# Altium PCB ISS_LAB_PCB.PcbDoc (part 4 of 8) (continued)
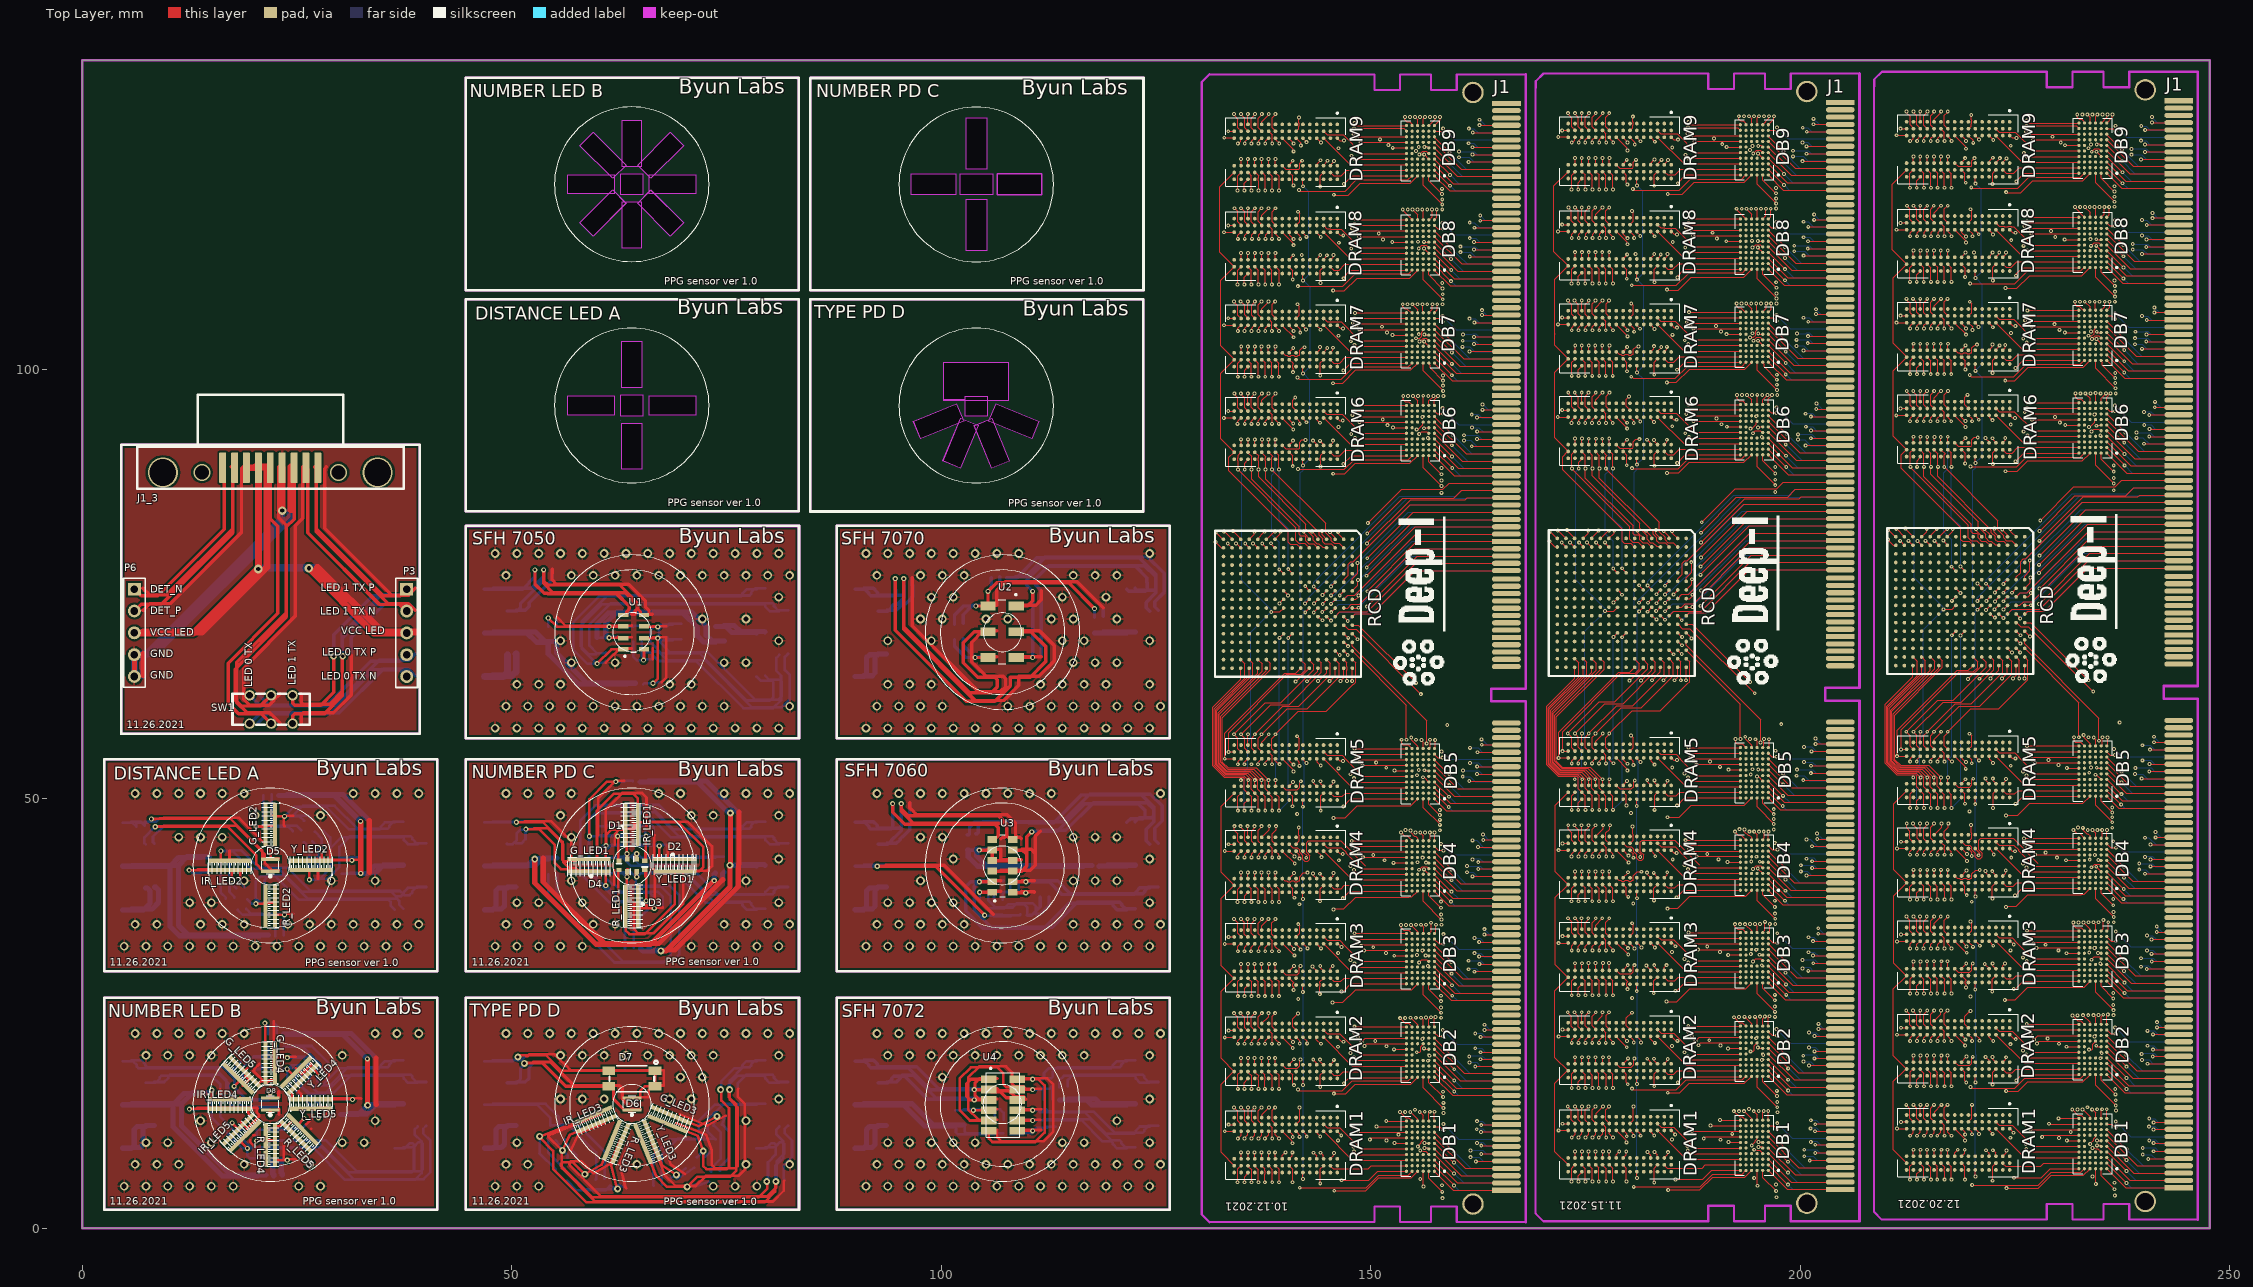
[diagram p0: Top Layer view]
## Nets (pads, with @x,y where several pads share a name; then routed paths per layer and width w, separated by ;. In a path a pad name is that pad's centre, name@x,y a point inside that pad or via, vN(x,y) a via of type N, cw(c..) or ccw(c..) an arc to the next point about the centre after c; other vN are vias at no path point) (continued)
 175.385,18.323 175.385,18.24 175.816,17.81 175.816,17.7 175.799,17.683 175.799,17.363 175.816,17.346 v1(175.816,16.311) ; 175.385,29.2 175.79,28.795 175.79,27.132 v1(175.816,27.106) ; 175.385,39.995 175.385,39.932 175.79,39.527 v1@175.79,38.104 ; 175.385,90.419 175.393,90.419 175.816,89.997 175.816,89.796 175.799,89.779 175.799,89.459 175.816,89.442 v1@175.816,88.447 ; 175.385,101.199 175.385,101.171 175.79,100.766 v1(175.79,99.217) v1@175.79,99.191 ; 175.385,112.024 175.385,112.017 175.79,111.612 175.79,110.063 v1@175.816,110.037 ; 175.385,122.991 175.409,122.991 175.816,122.585 175.816,122.368 175.799,122.351 175.799,122.031 175.816,122.014 v1@175.816,120.985 ; 175.385,127.791 174.971,128.205 174.971,129.31 v1@175.409,129.748 ; 175.731,65.29 175.731,64.715 171.117,60.101 171.117,54.17 172.069,53.217 174.796,53.217 175.739,52.274 175.739,51.184 176.185,50.738 176.603,50.32 176.603,50.103 176.599,50.098 176.599,49.778 176.603,49.773 v1@176.603,48.772 ; 175.731,66.29 176.247,65.774 176.247,64.927 171.269,59.948 171.269,54.233 172.133,53.37 175.028,53.37 v1(176.146,52.252) 176.185,52.213 176.185,51.538 ; 175.731,80.29 175.731,80.376 176.501,81.146 v1(176.501,81.208) ; v1@175.765,54.157 175.765,54.318 176.185,54.738 ; v1@175.765,93.756 175.79,93.781 175.79,94.111 176.098,94.419 176.185,94.419 ; v1@175.79,21.62 175.79,21.975 176.138,22.323 176.185,22.323 ; v1@175.79,126.446 175.816,126.471 175.816,126.674 176.132,126.991 176.185,126.991 ; v1(175.816,10.545) 176.185,10.915 176.185,11.371 ; v1@175.816,32.415 175.816,32.821 176.185,33.191 176.185,33.2 ; v1@175.816,43.337 175.816,43.616 176.185,43.986 176.185,43.995 ; v1(175.816,88.422) 175.816,87.558 181.315,82.059 181.315,81.45 182.191,80.573 182.191,80.167 182.572,79.786 182.851,79.786 183.283,79.354 183.667,79.354 183.731,79.29 ; v1@175.816,104.576 175.816,104.906 176.108,105.199 176.185,105.199 ; v1@175.841,115.346 175.841,115.727 176.138,116.024 176.185,116.024 ; v1@176.146,102.722 176.146,102.038 176.185,101.999 ; v1@176.146,118.8 175.771,118.426 175.771,117.295 176.185,116.881 176.185,116.824 ; v1(176.171,8.92) 176.178,8.913 176.178,8.178 176.185,8.171 ; v1(176.171,14.152) 175.775,13.756 175.775,12.618 176.185,12.208 176.185,12.171 ; v1(176.171,19.893) 176.178,19.886 176.178,19.13 176.185,19.123 ; v1(176.171,30.865) 176.178,30.859 176.178,30.007 176.185,30 ; v1@176.171,41.483 176.185,41.469 176.185,40.795 ; v1@176.171,46.867 176.171,46.817 175.799,46.444 175.799,45.157 176.161,44.795 176.185,44.795 ; v1@176.171,57.51 175.79,57.129 175.79,55.935 176.185,55.54 176.185,55.538 ; v1(176.171,57.586) 179.143,60.558 181.505,60.558 185.239,64.292 185.239,65.782 184.731,66.29 ; v1(176.171,107.98) 175.79,107.599 175.79,106.43 176.185,106.036 176.185,105.999 ; v1(176.171,113.619) 176.171,112.838 176.185,112.824 ; v1(176.171,124.566) 176.185,124.552 176.185,123.791 ; 176.185,7.371 176.552,7.004 176.552,6.75 176.571,6.731 176.571,6.411 176.552,6.392 v1(176.552,5.44) ; 176.185,12.971 176.245,13.031 176.245,13.362 v1(177.035,14.152) ; 176.185,18.323 176.552,17.956 176.552,17.702 176.571,17.683 176.571,17.363 176.552,17.344 v1(176.552,16.311) ; 176.185,23.123 176.185,23.13 175.775,23.54 175.775,24.678 v1@176.197,25.1 ; 176.185,23.923 176.984,24.722 v1@176.984,25.1 ; 176.185,29.2 176.578,28.807 176.578,27.132 v1(176.552,27.106) ; 176.185,34 176.161,34 175.79,34.371 175.79,35.564 176.197,35.971 v1@176.197,36.047 ; 176.185,34.8 176.185,35.273 v1@176.959,36.047 ; 176.185,39.995 176.185,39.919 176.578,39.527 v1@176.578,38.104 ; 176.185,45.595 177.06,46.47 v1@177.06,46.867 ; 176.185,56.338 176.185,56.686 v1@177.009,57.51 ; 176.185,90.419 176.185,90.364 176.628,89.92 176.628,89.809 176.599,89.779 176.599,89.459 176.628,89.429 v1@176.628,88.473 ; 176.185,91.219 176.222,91.256 v1(176.222,91.902) ; 176.185,95.219 176.181,95.219 175.799,95.602 175.799,96.812 176.197,97.21 v1@176.197,97.236 ; 176.185,96.019 176.185,96.462 v1(176.984,97.261) ; 176.185,101.199 176.221,101.199 176.603,100.817 176.603,100.564 176.599,100.559 176.599,100.239 176.603,100.234 v1(176.603,99.217) v1@176.603,99.191 ; 176.185,106.799 176.185,107.155 v1@176.984,107.954 ; 176.185,112.024 176.216,112.024 176.603,111.637 176.603,111.389 176.599,111.384 176.599,111.064 176.603,111.059 v1@176.603,110.063 ; 176.185,117.624 176.185,118.001 v1@176.984,118.8 ; 176.185,122.991 176.222,122.991 176.603,122.61 176.603,122.356 176.599,122.351 176.599,122.031 176.603,122.026 v1@176.603,120.985 ; 176.185,127.791 176.185,127.803 175.799,128.19 175.799,129.324 v1@176.197,129.722 ; 176.185,128.591 176.185,128.898 v1@177.009,129.722 ; v1(176.247,79.811) 176.247,79.792 176.731,79.309 176.731,79.29 ; v1(176.552,10.545) 176.985,10.978 176.985,11.371 ; v1@176.578,21.645 176.578,21.899 176.985,22.307 176.985,22.323 ; v1@176.578,43.388 176.578,43.616 176.956,43.995 176.985,43.995 ; v1@176.578,54.132 176.603,54.157 176.603,54.36 176.981,54.738 176.985,54.738 ; v1@176.578,93.781 176.578,94.061 176.936,94.419 176.985,94.419 ; v1@176.603,32.415 176.603,32.821 176.982,33.2 176.985,33.2 ; v1@176.603,104.576 176.603,104.856 176.946,105.199 176.985,105.199 ; v1@176.603,126.42 176.628,126.446 176.628,126.7 176.92,126.991 176.985,126.991 ; v1(176.628,88.422) 176.628,87.304 182.864,81.069 182.864,80.768 183.283,80.348 183.283,80.008 183.328,79.964 183.334,79.964 183.537,79.76 184.274,79.76 184.731,79.303 184.731,79.29 ; v1@176.628,115.397 176.654,115.422 176.654,115.752 176.926,116.024 176.985,116.024 ; 176.731,65.29 176.731,65.004 171.421,59.694 171.421,54.323 172.222,53.522 175.257,53.522 176.578,52.201 176.578,51.236 176.985,50.829 176.985,50.738 176.985,50.676 177.39,50.271 177.39,48.772 v1@177.416,48.747 ; 176.731,66.29 177.162,65.859 177.162,65.079 171.612,59.529 171.612,54.348 172.285,53.675 175.562,53.675 176.96,52.277 176.985,52.277 176.985,51.538 ; 176.731,80.29 176.779,80.29 177.672,81.183 v1(177.721,81.183) ; v1(176.959,91.902) 176.985,91.875 176.985,91.219 ; v1@176.959,102.722 176.959,102.025 176.985,101.999 ; v1@176.959,113.644 v1(176.959,113.619) 176.959,112.85 176.985,112.824 ; v1@176.984,41.483 176.985,41.482 176.985,40.795 ; v1(176.984,124.566) 176.985,124.565 176.985,123.791 ; 176.985,7.371 176.985,7.344 177.416,6.913 177.416,6.748 177.399,6.731 177.399,6.411 177.416,6.394 v1(177.416,5.44) ; 176.985,8.171 177.01,8.196 177.01,8.895 v1(177.035,8.92) ; 176.985,12.171 177.39,11.766 177.39,10.571 v1(177.416,10.545) ; 176.985,18.323 176.985,18.266 177.416,17.835 177.416,17.7 177.399,17.683 177.399,17.363 177.416,17.346 v1(177.416,16.311) ; 176.985,19.123 177.01,19.148 177.01,19.868 v1(177.035,19.893) ; 176.985,23.123 177.39,22.718 177.39,21.696 v1@177.365,21.671 ; 176.985,29.2 177.416,28.769 177.416,28.577 177.399,28.56 177.399,28.24 177.416,28.223 v1(177.416,27.106) ; 176.985,30 177.01,30.025 177.01,30.841 v1(177.035,30.865) ; 176.985,34 176.985,33.938 177.39,33.532 v1@177.39,32.44 ; 176.985,39.995 176.998,39.995 177.416,39.578 177.416,39.372 177.399,39.355 177.399,39.035 177.416,39.018 v1@177.416,38.13 ; 176.985,44.795 176.985,44.733 177.416,44.302 177.416,44.172 177.399,44.155 177.399,43.835 177.416,43.818 v1@177.416,43.413 ; 176.985,55.538 176.985,55.477 177.39,55.072 v1@177.39,54.132 ; 176.985,90.419 177.462,89.942 177.375,89.854 v1(177.375,88.413) 183.613,82.175 183.613,81.079 184.274,80.419 184.274,80.141 184.604,79.811 185.21,79.811 185.731,79.29 ; 176.985,95.219 176.985,95.203 177.39,94.797 v1@177.39,93.807 ; 176.985,101.199 176.985,101.197 177.365,100.817 177.365,100.566 177.371,100.559 177.371,100.239 177.365,100.232 v1(177.365,99.217) v1@177.365,99.191 ; 176.985,105.999 176.985,105.947 177.365,105.567 177.365,105.366 177.371,105.359 177.371,105.039 177.365,105.032 v1@177.365,104.602 ; 176.985,112.024 176.985,112.017 177.365,111.637 177.365,111.391 177.371,111.384 177.371,111.064 177.365,111.057 v1@177.365,110.037 ; 176.985,116.824 176.985,116.793 177.39,116.387 v1@177.39,115.422 ; 176.985,122.991 176.985,122.965 177.39,122.559 v1@177.39,120.985 ; 176.985,127.791 177.39,127.385 177.39,126.446 v1@177.416,126.42 ; v1(177.263,79.837) 177.263,79.797 177.731,79.33 177.731,79.29 ; v1(177.289,71.836) 178.277,71.836 178.731,72.29 ; 177.731,80.29 178.356,80.915 v1(178.356,81.183) ; v1(177.746,8.92) 177.765,8.9 177.765,8.191 177.785,8.171 ; v1(177.746,14.152) 177.39,13.797 177.39,12.603 177.785,12.208 177.785,12.171 ; v1(177.746,19.893) 177.765,19.873 177.765,19.143 177.785,19.123 ; v1@177.746,25.1 177.399,24.752 177.399,23.517 177.785,23.13 177.785,23.123 ; v1(177.746,30.865) 177.765,30.846 177.765,30.02 177.785,30 ; v1(177.746,107.98) 177.399,107.632 177.399,106.422 177.785,106.036 177.785,105.999 ; v1@177.771,36.022 177.371,35.622 177.371,34.339 177.71,34 177.785,34 ; v1@177.771,41.483 177.771,40.809 177.785,40.795 ; v1@177.771,57.485 177.371,57.085 177.371,55.929 177.762,55.538 177.785,55.538 ; v1(177.771,57.586) 180.438,60.253 183.715,60.253 186.849,63.387 186.876,63.387 187.115,63.626 187.115,65.906 186.731,66.29 ; v1(177.771,91.927) 177.785,91.913 177.785,91.219 ; v1(177.771,113.619) 177.771,112.838 177.785,112.824 ; v1(177.771,118.826) 177.39,118.445 177.39,117.251 177.785,116.856 177.785,116.824 ; v1@177.771,129.722 177.39,129.341 177.39,128.198 177.785,127.804 177.785,127.791 ; 177.785,7.371 178.203,6.953 178.203,6.736 178.199,6.731 178.199,6.411 178.203,6.406 v1(178.203,5.44) ; 177.785,11.371 177.785,10.964 v1(178.203,10.545) ; 177.785,18.323 178.203,17.905 178.203,17.688 178.199,17.683 178.199,17.363 178.203,17.358 v1(178.203,16.311) ; 177.785,22.323 177.785,22.114 v1@178.203,21.696 ; 177.785,29.2 178.203,28.782 178.203,28.565 178.199,28.56 178.199,28.24 178.203,28.235 v1(178.203,27.106) ; 177.785,33.2 177.785,32.884 v1@178.203,32.466 ; 177.785,39.995 178.203,39.577 178.203,39.36 178.199,39.355 178.199,39.035 178.203,39.03 v1@178.203,38.13 ; 177.785,43.995 178.178,43.602 v1@178.178,43.413 ; 177.785,44.795 177.761,44.795 177.39,45.166 177.39,46.004 177.848,46.461 v1@177.848,46.842 ; 177.785,50.738 177.785,50.689 178.203,50.271 178.203,50.103 178.199,50.098 178.199,49.778 178.203,49.773 v1(178.203,48.696) ; 177.785,51.538 177.797,51.55 v1(177.797,52.252) v1@177.797,52.328 ; 177.785,54.738 177.785,54.499 178.171,54.113 v1(178.275,54.113) ; 177.785,90.419 177.832,90.419 178.178,90.073 178.178,88.473 v1@178.203,88.447 ; 177.785,94.419 177.785,94.199 v1@178.178,93.807 ; 177.785,95.219 177.785,95.241 177.399,95.627 177.399,96.837 v1@177.797,97.236 ; 177.785,101.199 177.785,101.184 178.178,100.792 v1(178.178,99.217) ; 177.785,101.999 177.785,102.71 v1@177.797,102.722 ; 177.785,105.199 177.785,105.045 v1@178.203,104.627 ; 177.785,112.024 177.791,112.024 178.203,111.612 178.203,111.389 178.199,111.384 178.199,111.064 178.203,111.059 v1@178.203,110.063 ; 177.785,116.024 177.785,115.84 v1@178.203,115.422 ; 177.785,122.991 177.785,122.978 178.203,122.559 178.203,122.356 178.199,122.351 178.199,122.031 178.203,122.026 v1@178.203,121.035 ; 177.785,123.791 177.785,124.554 v1(177.797,124.566) ; 177.785,126.991 177.785,126.889 v1@178.229,126.446 ; v1(178.229,76.789) 178.23,76.789 178.729,76.29 178.731,76.29 ; v1(178.254,68.813) 178.731,69.29 ; v1(178.254,72.826) 178.718,73.29 178.731,73.29 ; 178.585,8.171 178.585,8.565 v1(178.94,8.92) ; 178.585,11.371 179.734,10.222 179.734,10.03 v1(179.778,9.987) ; 178.585,19.123 178.971,18.737 180.345,18.737 180.599,18.99 180.599,19.646 v1(180.692,19.74) ; 178.585,22.323 178.585,22.301 179.803,21.083 v1(179.803,21.061) ; 178.585,30 178.971,29.614 180.345,29.614 180.571,29.84 180.571,30.49 v1(180.692,30.611) ; 178.585,33.2 178.611,33.2 179.955,31.856 v1(179.981,31.856) ; 178.585,40.795 178.863,40.517 179.116,40.517 179.225,40.409 179.545,40.409 179.654,40.517 179.916,40.517 180.025,40.409 180.345,40.409 180.454,40.517 180.591,40.517 180.591,41.029 181.045,41.483 v1(181.505,41.483) ; 178.585,51.538 178.971,51.152 180.345,51.152 180.599,51.405 180.599,51.975 v1(180.743,52.12) ; 178.585,54.738 179.836,53.487 179.836,53.312 v1(179.88,53.268) ; 178.585,91.219 178.585,91.215 178.991,90.809 180.489,90.809 180.591,90.911 180.591,91.571 180.87,91.851 v1(181.277,91.851) ; 178.585,94.419 178.585,94.379 179.854,93.11 v1(179.854,93.07) ; 178.585,101.999 178.647,101.999 178.94,101.706 179.131,101.706 179.225,101.613 179.545,101.613 179.639,101.706 179.931,101.706 180.025,101.613 180.345,101.613 180.439,101.706 180.591,101.706 180.591,102.29 180.908,102.608 181.137,102.608 v1(181.175,102.646) ; 178.585,105.199 178.585,105.167 179.905,103.847 v1(179.905,103.814) ; 178.585,116.024 179.861,114.748 179.861,114.577 v1(179.905,114.533) ; 178.585,123.791 178.978,123.398 180.515,123.398 180.591,123.474 180.591,124.083 180.87,124.363 v1(180.896,124.363) ; 178.585,126.991 179.861,125.715 179.861,125.499 v1(179.905,125.455) ; 178.586,43.995 v1(180.032,42.549) ; 178.731,74.29 179.245,73.776 v1(179.245,73.741) ; v1(179.27,68.788) 179.27,68.829 179.731,69.29 ; v1(179.27,76.814) 179.27,76.783 179.731,76.322 179.731,76.29 ; 179.385,7.371 179.385,7.332 179.771,6.945 179.771,5.447 v1(179.778,5.44) ; 179.385,8.171 179.753,8.539 v1(179.753,8.92) ; 179.385,11.371 179.791,10.965 179.791,10.71 v1(179.803,10.698) ; 179.385,18.323 179.778,17.93 179.778,16.957 179.93,16.805 v1(179.93,16.743) ; 179.385,19.123 179.385,19.159 179.956,19.73 v1(179.956,19.766) ; 179.385,22.323 179.385,22.27 179.829,21.826 v1(179.829,21.772) ; 179.385,29.2 179.905,28.68 179.905,28.667 179.799,28.56 179.799,28.24 179.905,28.133 v1(179.905,27.817) ; 179.385,30 179.385,30.033 179.93,30.578 v1(179.93,30.611) ; 179.385,33.2 179.385,33.182 179.956,32.611 v1(179.956,32.593) ; 179.385,39.995 179.775,39.605 179.775,38.768 v1(179.981,38.562) ; 179.385,40.795 179.385,40.828 179.956,41.399 v1(179.956,41.432) ; 179.385,43.995 179.385,43.989 180.007,43.368 v1(180.007,43.362) ; 179.385,44.795 179.799,44.381 180.345,44.381 180.599,44.128 180.599,43.835 180.979,43.455 180.979,43.049 181.211,42.817 181.539,42.817 181.772,43.049 181.772,43.462 181.399,43.835 181.399,44.955 181.625,45.181 185.376,45.181 188.265,42.292 ; 179.385,50.738 179.413,50.738 179.778,50.373 v1(179.778,49.204) ; 179.385,51.538 179.385,51.572 179.829,52.015 v1(179.829,52.049) ; 179.385,54.738 179.453,54.67 179.453,54.457 179.854,54.056 v1(179.905,54.056) ; 179.385,90.419 179.803,90.001 179.803,89.784 179.799,89.779 179.799,89.459 179.803,89.454 v1(179.803,88.803) ; 179.385,91.219 179.385,91.275 179.829,91.719 v1(179.829,91.775) ; 179.385,94.419 179.422,94.382 179.422,94.137 179.803,93.756 v1(179.854,93.756) ; 179.385,101.199 179.829,100.755 179.829,100.589 179.799,100.559 179.799,100.239 179.829,100.209 v1(179.829,99.75) ; 179.385,101.999 179.385,102.05 179.854,102.519 v1(179.854,102.57) ; 179.385,105.199 179.385,105.107 179.905,104.587 v1(179.905,104.525) ; 179.385,112.024 179.385,111.98 179.803,111.561 179.803,111.389 179.799,111.384 179.799,111.064 179.803,111.059 v1(179.803,110.52) ; 179.385,112.824 179.385,112.86 179.854,113.329 v1(179.854,113.365) ; 179.385,116.024 179.429,115.98 179.429,115.695 179.88,115.244 v1(179.905,115.244) ; 179.385,122.991 179.385,122.978 179.778,122.585 179.778,121.696 179.836,121.638 179.836,121.536 v1(179.88,121.493) ; 179.385,123.791 179.385,123.883 179.803,124.301 v1(179.803,124.363) ; 179.385,126.991 179.385,126.94 179.905,126.42 v1(179.905,126.369) ; v1(180.083,96.804) 179.778,96.499 179.778,95.661 180.185,95.254 180.185,95.219 ; v1(180.134,63.733) 180.174,63.733 181.731,65.29 ; 180.185,11.371 180.566,10.99 180.566,10.748 v1(180.591,10.723) ; 180.185,12.171 180.591,12.577 v1(180.591,14.152) ; 180.185,22.323 180.616,21.892 v1(180.616,21.594) ; 180.185,23.123 179.775,23.533 179.775,24.487 180.362,25.074 v1(180.413,25.074) ; 180.185,33.2 180.185,33.136 180.718,32.604 v1(180.718,32.542) ; 180.185,34 180.591,34.406 180.591,35.274 180.438,35.426 v1(180.438,35.488) ; 180.185,43.995 180.185,43.943 180.575,43.553 v1(180.575,43.113) ; 180.185,44.795 180.571,45.181 180.571,45.755 180.489,45.837 v1(180.489,46.74) ; 180.185,54.738 180.575,54.348 v1(180.575,53.913) ; 180.185,55.538 180.571,55.924 180.571,57.098 v1(180.311,57.358) ; 180.185,94.419 180.607,93.997 180.607,93.74 v1(180.616,93.73) ; 180.185,105.199 180.667,104.717 v1(180.667,104.348) ; 180.185,105.999 180.571,106.385 180.571,107.415 v1(180.337,107.65) ; 180.185,116.024 180.667,115.542 v1(180.667,115.27) ; 180.185,116.824 180.591,117.23 180.591,118.22 180.413,118.398 v1(180.413,118.419) ; 180.185,126.991 180.743,126.433 v1(180.743,126.141) ; 180.185,127.791 180.234,127.791 180.515,128.071 180.515,128.374 180.571,128.431 180.571,128.751 180.515,128.808 v1(180.515,129.392) ; v1(180.337,99.115) 180.54,98.912 185.468,98.912 186.907,100.352 193.231,100.352 193.688,100.809 ; v1(180.388,109.758) 185.595,109.758 187.068,111.231 193.285,111.231 193.688,111.634 ; v1(180.413,16.235) 180.54,16.108 185.569,16.108 186.712,17.251 193.27,17.251 193.688,17.669 ; v1(180.413,88.473) 180.464,88.422 185.798,88.422 186.941,89.565 193.224,89.565 193.688,90.029 ; v1(180.515,120.959) 180.642,120.832 185.899,120.832 187.187,122.119 193.206,122.119 193.688,122.601 ; v1(180.616,4.805) 188.338,4.805 189.811,6.278 193.249,6.278 193.688,6.717 ; v1(180.972,27.589) 180.985,27.602 180.985,28.4 ; v1(180.972,49.153) 180.985,49.167 180.985,49.938 ; 180.985,6.571 180.985,5.833 v1(180.997,5.821) ; 180.985,11.371 181.429,10.927 v1(181.429,10.749) ; 180.985,17.523 180.997,17.511 v1(180.997,16.768) ; 180.985,22.323 181.475,21.833 v1(181.475,21.613) ; 180.985,33.2 181.03,33.2 181.511,32.72 v1(181.511,32.672) ; 180.985,39.195 180.985,38.421 v1(180.997,38.409) ; 180.985,43.995 180.985,43.939 181.482,43.442 181.375,43.335 v1(181.375,43.213) ; 180.985,54.738 180.985,54.708 181.404,54.289 v1(181.404,54.259) ; 180.985,89.619 180.985,88.891 v1(180.997,88.879) ; 180.985,94.419 180.985,94.36 181.378,93.967 v1(181.378,93.908) ; 180.985,100.399 180.985,99.61 v1(180.997,99.598) ; 180.985,105.133 v1@181.353,104.765 ; 180.985,111.224 180.985,110.43 v1(180.997,110.418) ; 180.985,116.024 180.985,115.953 181.378,115.56 v1(181.378,115.498) ; 180.985,122.191 180.985,121.403 v1(180.997,121.391) ; 180.985,126.991 180.985,126.966 181.404,126.547 v1(181.404,126.522) ; v1(181.073,81.183) 181.117,81.139 181.117,80.974 181.731,80.36 181.731,80.29 ; v1(181.226,72.801) 181.234,72.801 181.723,73.29 181.731,73.29 ; v1(181.251,71.785) 181.731,72.265 181.731,72.29 ; v1(181.251,74.833) 181.251,74.801 181.731,74.322 181.731,74.29 ; v1(181.454,63.758) 181.531,63.758 182.699,64.927 182.699,65.258 182.731,65.29 ; v1(182.039,81.183) 182.674,80.548 182.674,80.347 182.731,80.29 ; v1(182.089,30.561) 182.089,30.528 182.585,30.033 182.585,30 ; v1(182.166,41.381) 182.209,41.337 182.209,41.171 182.585,40.795 ; v1(182.166,91.775) 182.585,91.355 182.585,91.219 ; v1(182.191,19.715) 182.585,19.321 182.585,19.123 ; v1(182.191,52.151) 182.235,52.107 182.235,51.888 182.585,51.538 ; v1(182.216,8.869) 182.585,8.5 182.585,8.171 ; v1(182.242,71.759) 182.242,71.78 182.731,72.269 182.731,72.29 ; v1(182.242,74.807) 182.242,74.793 182.731,74.304 182.731,74.29 ; v1(182.267,72.801) 182.267,72.814 182.731,73.277 182.731,73.29 ; 182.585,11.371 182.585,11.193 v1(183.004,10.774) ; 182.585,22.323 182.547,22.285 182.547,22.052 183.029,21.569 v1(183.08,21.569) ; 182.585,33.2 182.585,33.182 183.08,32.687 v1(183.08,32.669) ; 182.585,43.995 183.087,43.493 183.087,43.33 v1(183.131,43.286) ; 182.585,54.738 182.653,54.67 182.653,54.356 v1(183.055,53.954) ; 182.585,94.419 182.648,94.356 182.648,94.162 182.953,93.857 v1(182.978,93.857) ; 182.585,101.999 182.978,102.392 v1(182.978,102.671) ; 182.585,105.199 182.585,105.16 183.029,104.716 v1(183.029,104.678) ; 182.585,112.824 182.585,112.909 183.004,113.328 v1(183.004,113.39) ; 182.585,116.024 182.585,115.983 183.055,115.514 v1(183.055,115.473) ; 182.585,123.791 182.653,123.859 182.653,124.037 v1(183.029,124.414) ; 182.585,126.991 182.585,126.979 183.08,126.484 v1(183.08,126.471) ; 182.731,71.29 182.785,71.29 183.204,70.87 v1(183.258,70.87) ; v1(182.75,63.784) 183.731,64.765 183.731,65.29 ; v1(182.953,27.335) 182.953,28.221 182.971,28.24 182.971,28.56 182.953,28.579 182.953,28.768 183.385,29.2 ; v1(182.953,41.356) 182.953,41.294 183.385,40.862 183.385,40.795 ; v1(182.978,19.715) 183.022,19.671 183.022,19.486 183.385,19.123 ; v1(182.978,38.155) 182.978,39.588 183.385,39.995 ; v1(182.978,91.749) 182.978,91.687 183.385,91.281 183.385,91.219 ; v1(183.004,5.313) 183.004,6.406 182.999,6.411 182.999,6.731 183.004,6.736 183.004,6.99 183.385,7.371 ; v1(183.004,16.514) 183.004,17.358 182.999,17.363 182.999,17.683 183.004,17.688 183.004,17.942 183.385,18.323 ; v1(183.004,30.611) 183.04,30.575 183.04,30.345 183.385,30 ; v1(183.004,99.344) 183.004,100.234 182.999,100.239 182.999,100.559 183.004,100.564 183.004,100.818 183.385,101.199 ; v1(183.004,121.34) 183.004,122.026 182.999,122.031 182.999,122.351 183.004,122.356 183.004,122.61 183.385,122.991 ; v1(183.029,8.869) 183.336,8.562 183.336,8.22 183.385,8.171 ; v1(183.029,52.125) 183.064,52.09 183.064,51.859 183.385,51.538 ; v1(183.029,88.752) 183.029,89.428 182.999,89.459 182.999,89.779 183.029,89.81 183.029,90.063 183.385,90.419 ; v1(183.029,110.113) 182.999,110.144 182.999,111.638 183.385,112.024 ; v1(183.055,48.696) 183.055,50.408 183.385,50.738 ; v1(183.207,81.259) 183.207,80.808 183.725,80.29 183.731,80.29 ; v1(183.232,71.836) 183.277,71.836 183.731,72.29 ; v1(183.258,73.791) 183.258,73.804 183.731,74.277 183.731,74.29 ; v1(183.283,72.75) 183.283,72.796 183.731,73.244 183.731,73.29 ; 183.385,11.371 186.739,8.017 193.038,8.017 ; 183.385,12.171 183.798,11.757 185.297,11.757 187.737,9.317 193.038,9.317 ; 183.385,22.323 186.739,18.969 193.038,18.969 ; 183.385,23.123 183.796,22.712 185.29,22.712 187.733,20.269 193.038,20.269 ; 183.385,33.2 186.739,29.846 193.038,29.846 ; 183.385,34 183.797,33.588 185.261,33.588 185.864,32.985 185.864,32.984 187.702,31.146 193.038,31.146 ; 183.385,43.995 186.739,40.641 193.038,40.641 ; 183.385,44.795 183.799,44.381 185.466,44.381 186.016,43.831 186.016,43.753 187.829,41.941 193.038,41.941 ; 183.385,54.738 186.739,51.384 193.038,51.384 ; 183.385,55.538 183.785,55.138 185.555,55.138 186.042,54.652 186.042,54.599 187.957,52.684 193.038,52.684 ; 183.385,94.419 186.475,91.329 193.038,91.329 ; 183.385,95.219 183.395,95.219 183.766,94.848 185.544,94.848 187.763,92.629 193.038,92.629 ; 183.385,101.999 183.385,102.076 183.817,102.508 v1(183.817,102.57) ; 183.385,105.199 186.475,102.109 193.038,102.109 ; 183.385,105.999 183.792,105.592 185.442,105.592 187.625,103.409 193.038,103.409 ; 183.385,112.824 183.722,113.161 183.722,113.321 v1(183.766,113.365) ; 183.385,116.024 186.475,112.934 193.038,112.934 ; 183.385,116.824 183.754,116.455 184.007,116.455 184.025,116.438 184.19,116.438 184.217,116.41 184.345,116.41 184.368,116.387 184.802,116.387 184.825,116.41 185.145,116.41 185.168,116.387 185.468,116.387 187.621,114.234 193.038,114.234 ; 183.385,123.791 183.385,123.848 183.842,124.305 v1(183.842,124.363) ; 183.385,126.991 186.475,123.901 193.038,123.901 ; 183.385,127.791 183.791,127.385 185.663,127.385 187.848,125.201 193.038,125.201 ; 183.731,71.29 183.755,71.29 184.225,70.82 v1(184.248,70.82) ; v1(184.096,63.784) 184.731,64.419 184.731,65.29 ; 184.185,7.371 184.185,7.307 184.507,6.985 188.581,6.985 188.964,7.367 193.038,7.367 ; 184.185,8.171 184.591,8.577 184.591,8.831 v1(184.604,8.844) ; 184.185,18.323 184.595,17.913 185.266,17.913 185.672,18.319 193.038,18.319 ; 184.185,19.123 184.535,19.473 184.535,19.646 v1(184.579,19.689) ; 184.185,29.2 184.571,28.814 185.397,28.814 185.779,29.196 193.038,29.196 ; 184.185,30 184.185,30.345 v1(184.452,30.611) ; 184.185,39.995 184.571,39.609 185.422,39.609 185.805,39.991 193.038,39.991 ; 184.185,40.795 184.528,41.138 v1(184.528,41.432) ; 184.185,50.738 184.571,50.352 185.574,50.352 185.956,50.734 193.038,50.734 ; 184.185,51.538 184.509,51.862 184.509,52.031 v1(184.553,52.074) ; 184.185,90.419 184.571,90.033 185.275,90.033 185.921,90.679 193.038,90.679 ; 184.185,91.219 184.474,91.508 184.474,91.772 v1(184.477,91.775) ; 184.185,101.199 184.571,100.813 185.285,100.813 185.932,101.459 193.038,101.459 ; 184.185,101.999 184.477,102.291 v1(184.477,102.595) ; 184.185,112.024 184.572,111.637 185.188,111.637 185.835,112.284 193.038,112.284 ; 184.185,112.824 184.509,113.148 184.509,113.346 v1(184.553,113.39) ; 184.185,122.991 184.571,122.605 185.437,122.605 186.083,123.251 193.038,123.251 ; 184.185,123.791 184.185,123.857 184.604,124.276 v1(184.604,124.337) ; v1(184.248,72.775) 184.248,72.791 184.731,73.274 184.731,73.29 ; v1(184.248,73.766) 184.248,73.787 184.731,74.269 184.731,74.29 ; v1(184.248,74.782) 184.248,74.795 184.731,75.277 184.731,75.29 ; v1(184.274,71.81) 184.274,71.821 184.731,72.279 184.731,72.29 ; v1(184.426,26.37) 185.62,26.37 187.119,27.868 193.66,27.868 194.338,28.546 ; v1(184.477,98.455) 185.595,98.455 187.144,100.004 193.533,100.004 194.338,100.809 ; v1(184.502,87.914) 185.874,87.914 187.093,89.133 193.442,89.133 194.338,90.029 ; v1(184.502,109.25) 184.553,109.199 185.798,109.199 187.296,110.698 193.402,110.698 194.338,111.634 ; v1(184.553,37.19) 184.629,37.266 185.747,37.266 187.119,38.638 193.316,38.638 193.342,38.663 193.66,38.663 194.338,39.341 ; v1(184.553,47.833) 184.579,47.858 185.899,47.858 187.296,49.255 193.509,49.255 194.338,50.084 ; v1(184.579,15.752) 185.976,15.752 187.068,16.845 193.514,16.845 194.338,17.669 ; v1(184.579,120.4) 184.579,120.375 184.604,120.35 186.255,120.35 187.652,121.747 193.484,121.747 194.338,122.601 ; v1(184.629,4.449) 188.312,4.449 189.811,5.948 193.569,5.948 194.338,6.717 ; 184.731,67.29 185.215,66.806 v1(185.264,66.806) ; 184.731,71.29 185.277,71.836 188.465,71.836 194.122,77.493 204.67,77.493 ; 184.731,80.29 184.68,80.341 184.68,80.522 v1@184.156,81.047 ; 184.985,11.371 185.442,10.914 v1(185.442,10.896) ; 184.985,22.323 185.467,21.841 185.652,21.841 v1(185.696,21.798) ; 184.985,33.2 185.089,33.2 v1(185.468,32.821) ; 184.985,43.995 185.313,43.667 v1(185.62,43.667) ; 184.985,54.738 185.037,54.738 185.288,54.487 v1(185.645,54.487) ; 184.985,94.419 185.293,94.111 v1(185.62,94.111) ; 184.985,105.199 185.354,104.83 v1(185.645,104.83) ; 184.985,116.024 185.333,115.676 v1(185.671,115.676) ; 184.985,126.991 185.263,126.713 v1(185.775,126.713) ; v1(185.087,81.157) 185.13,81.114 185.13,80.891 185.731,80.29 ; v1(185.264,73.766) 185.264,73.795 185.731,74.261 185.731,74.29 ; v1(185.366,63.784) 185.731,64.149 185.731,65.29 ; v1(185.468,27.64) 185.511,27.683 185.715,27.683 186.577,28.546 193.038,28.546 ; v1(185.493,5.669) 188.668,5.669 189.716,6.717 193.038,6.717 ; v1(185.62,38.511) 186.45,39.341 193.038,39.341 ; v1(185.671,49.179) 186.576,50.084 193.038,50.084 ; v1(185.671,99.928) 186.552,100.809 193.038,100.809 ; v1(185.675,89.063) 186.641,90.029 193.038,90.029 ; v1(185.722,110.672) 185.722,110.825 186.509,111.612 193.016,111.612 193.038,111.634 ; 185.731,66.29 186.103,65.918 186.103,65.461 186.115,65.449 186.115,65.131 186.103,65.119 v1(186.103,63.784) ; 185.731,67.29 186.189,66.832 v1(186.204,66.832) ; 185.731,68.29 185.787,68.29 v1(186.23,67.848) ; 185.731,69.29 186.208,68.813 v1(186.255,68.813) ; 185.731,70.29 185.794,70.29 186.28,69.804 187.169,69.804 v1(194.713,62.26) ; 185.731,71.29 185.731,71.266 186.204,70.793 v1(186.204,70.769) ; 185.731,72.29 186.188,72.29 186.613,72.715 187.591,72.715 194.07,79.193 204.67,79.193 ; 185.731,73.29 186.207,73.766 187.017,73.766 194.144,80.893 204.67,80.893 ; 185.731,75.29 185.769,75.328 185.769,75.617 186.255,76.103 186.255,77.398 186.56,77.703 186.865,77.703 193.455,84.293 204.67,84.293 ; v1(185.747,16.972) 185.747,16.997 186.382,17.632 193.001,17.632 193.038,17.669 ; v1(185.747,121.645) 186.703,122.601 193.038,122.601 ; v1(186.66,44.583) 192.996,44.583 193.038,44.541 ; v1(186.661,45.166) 186.674,45.178 193.025,45.178 193.038,45.191 ; v1(186.712,63.784) 186.731,63.803 186.731,65.29 ; 186.731,67.29 193.037,60.984 v1@193.037,56.977 ; 186.731,68.29 186.731,67.833 195.384,59.18 v1(195.384,56.531) ; 186.731,69.29 187.347,68.674 v1(187.347,68.661)